# Altium PCB 19_2_Coupled_PP0.PcbDoc (part 1 of 5)
Units mil, origin at the board's own origin, x right, y up, seen from the top; angles counter-clockwise.
Board outline 3937.01 x 10826.77 mil, 10 copper layers (Layer_1 Top, Layer_2 GND Plane 1, Layer_3 Signal inner 1, Layer_4 Power Plane 1, Layer_5  Signal inner 2, Layer_6 GND Plane 2, Layer_7 Signal inner 3, Layer_8 Power Plane 2, Layer_9 GND Plane 3, Layer_10 Bottom), stack 69.4 mil thick; 120 components, 283 nets, 1231 pads, 1956 vias.
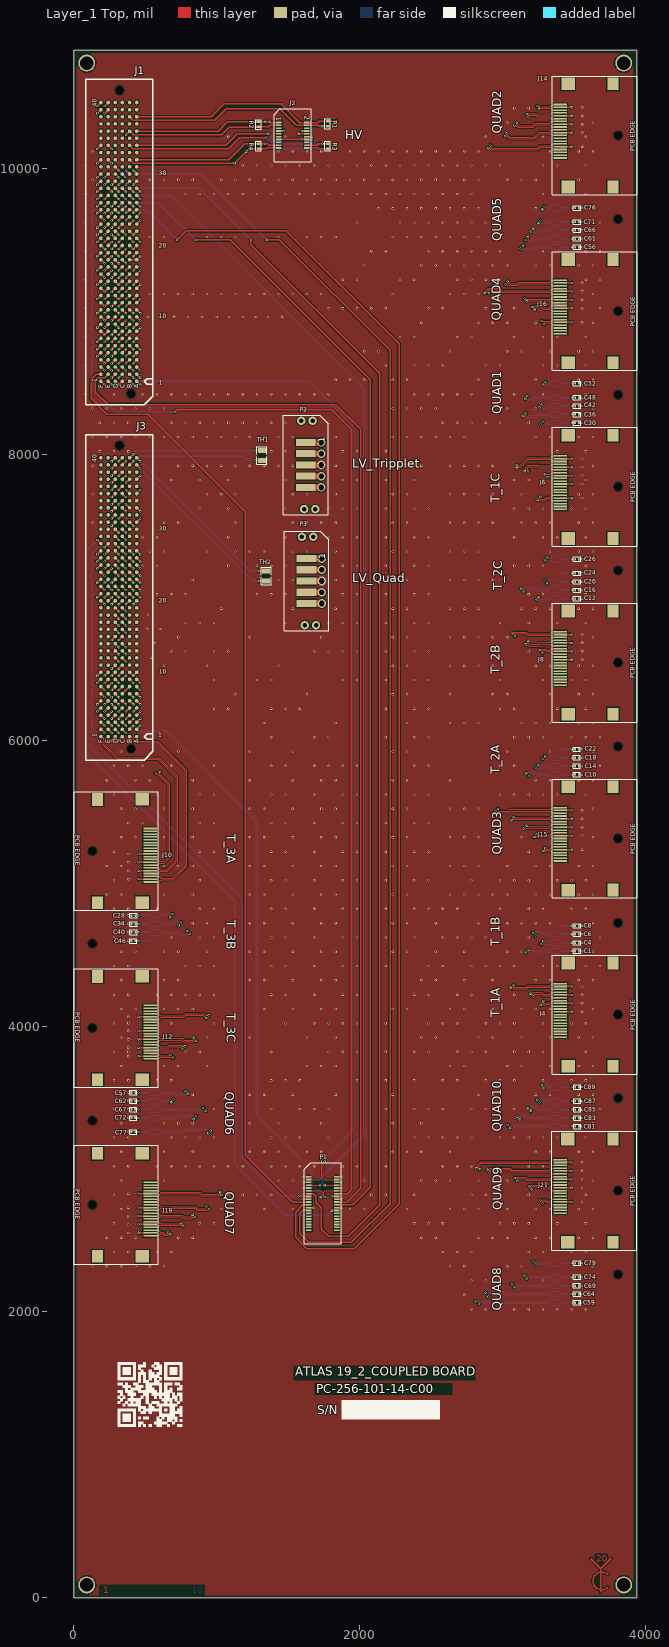
[diagram p0: Layer_1 Top view]
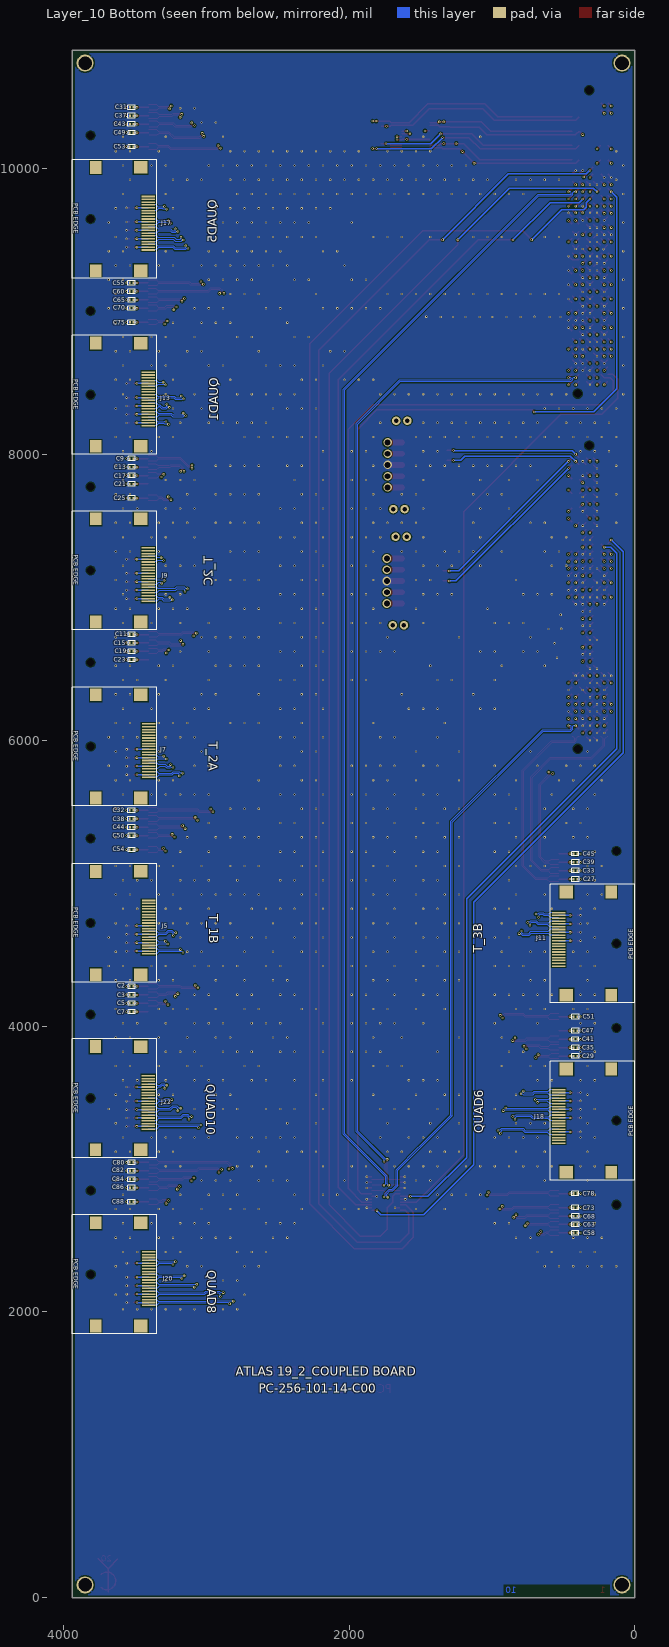
[diagram p1: Layer_10 Bottom view, seen from below]
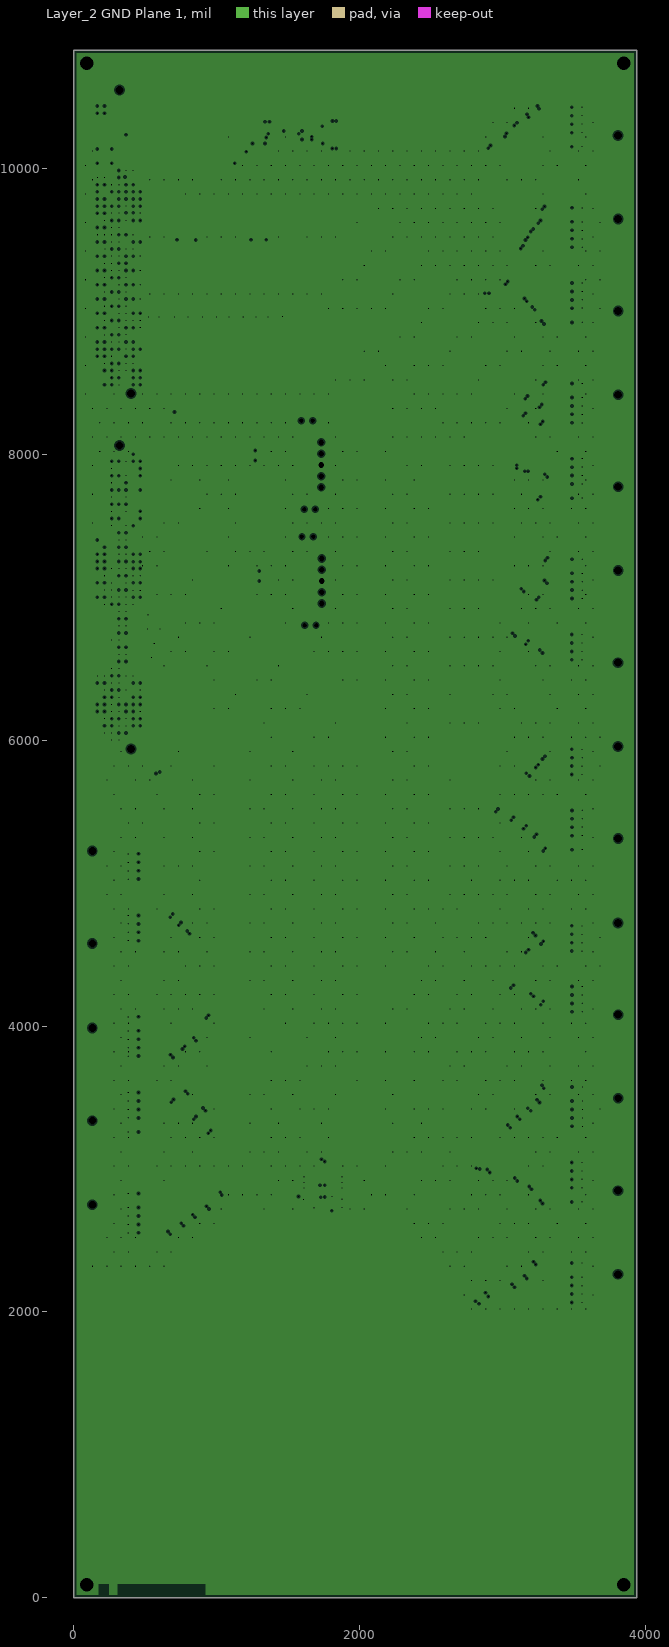
[diagram p2: Layer_2 GND Plane 1, clearances drawn from the general rule]
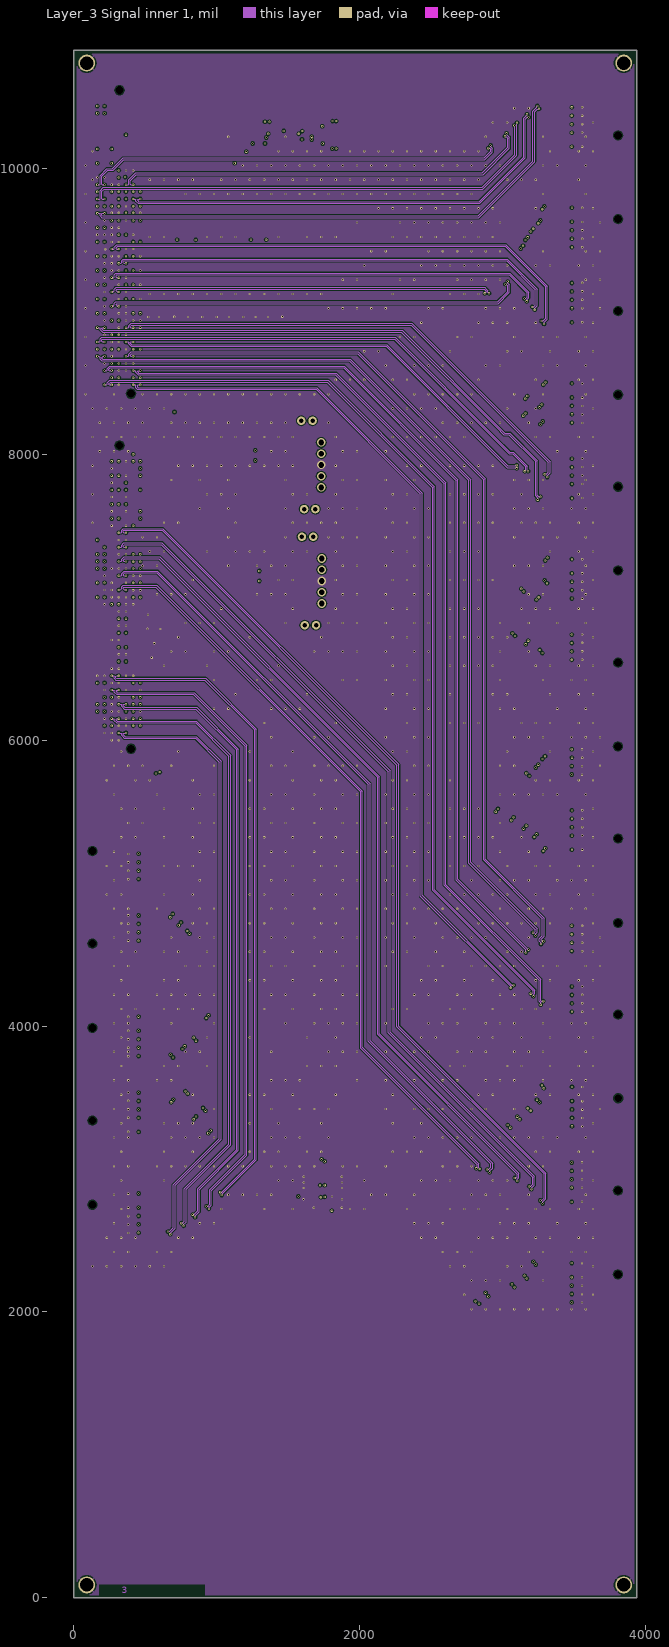
[diagram p3: Layer_3 Signal inner 1]
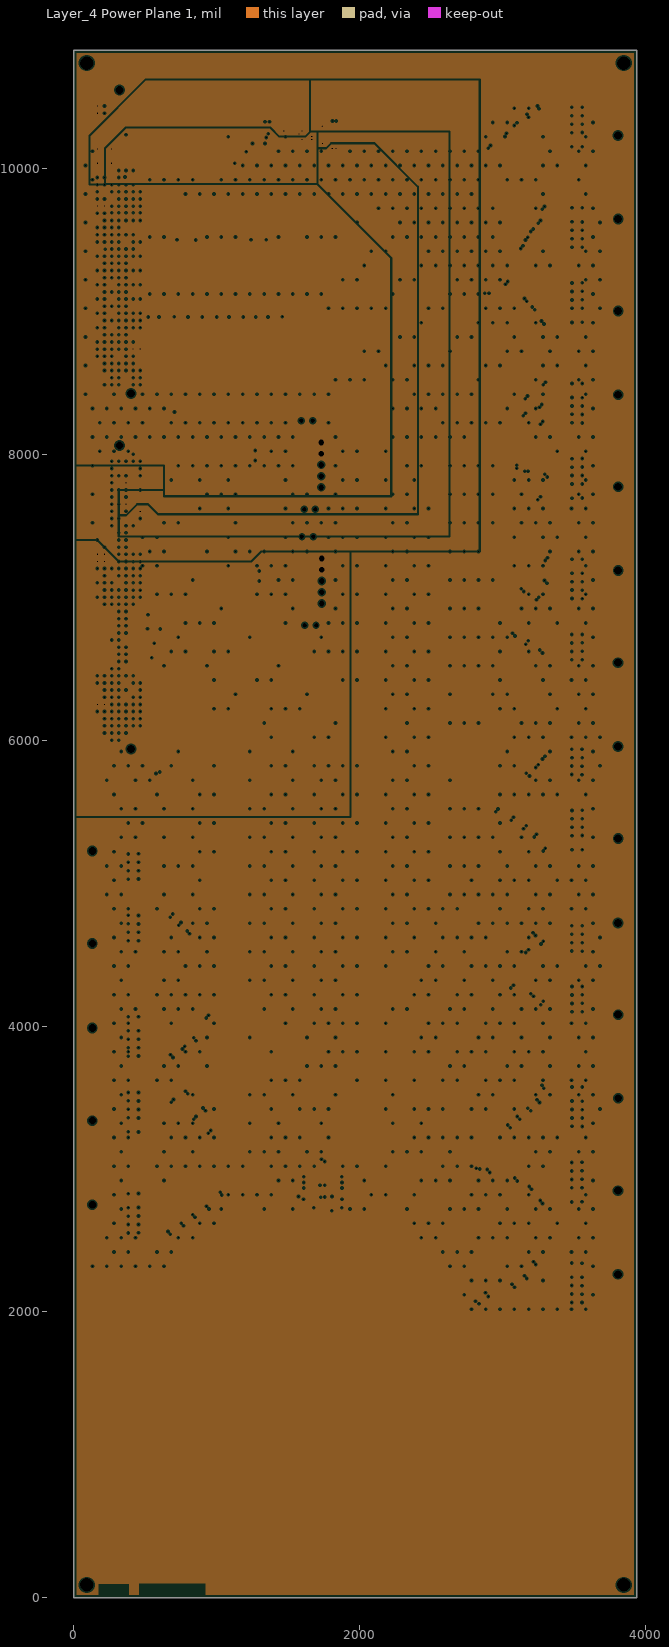
[diagram p4: Layer_4 Power Plane 1, clearances drawn from the general rule]
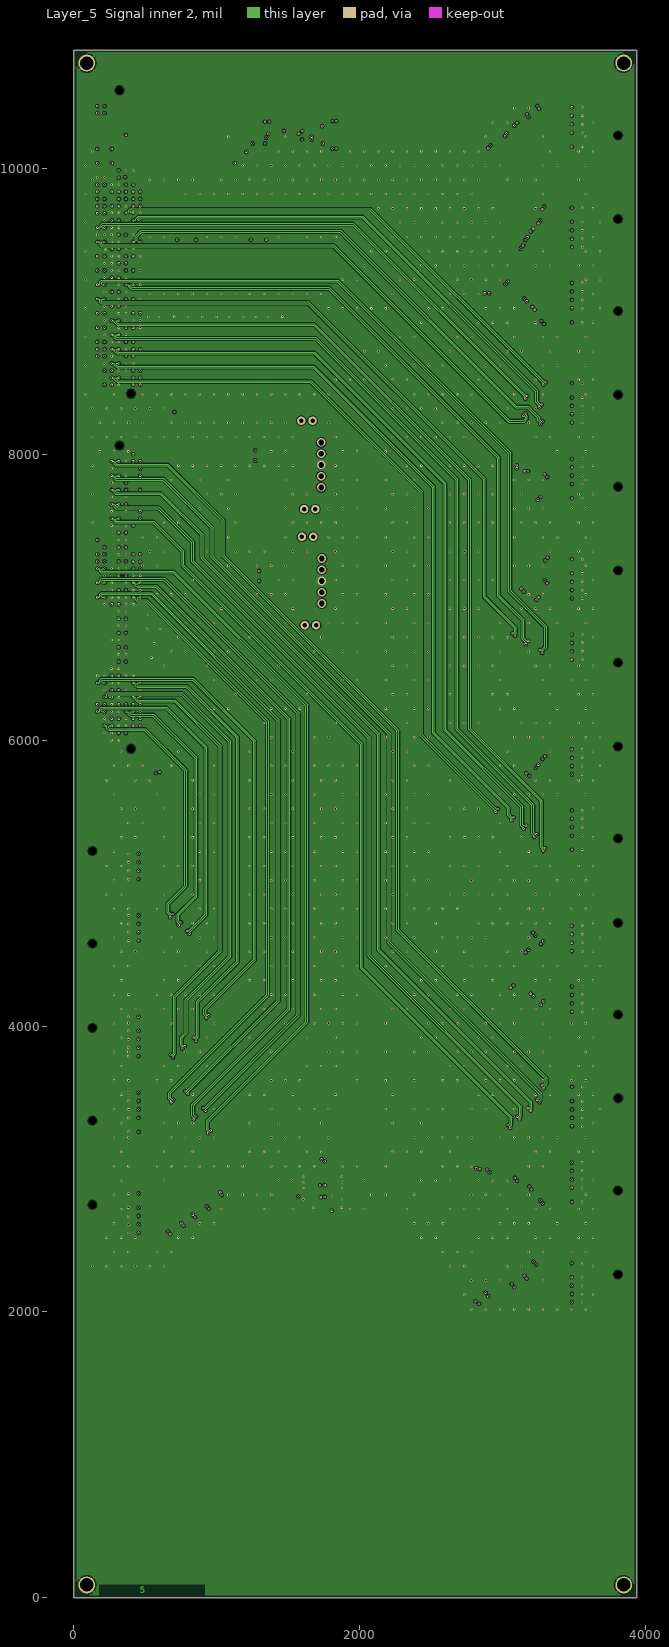
[diagram p5: Layer_5  Signal inner 2]
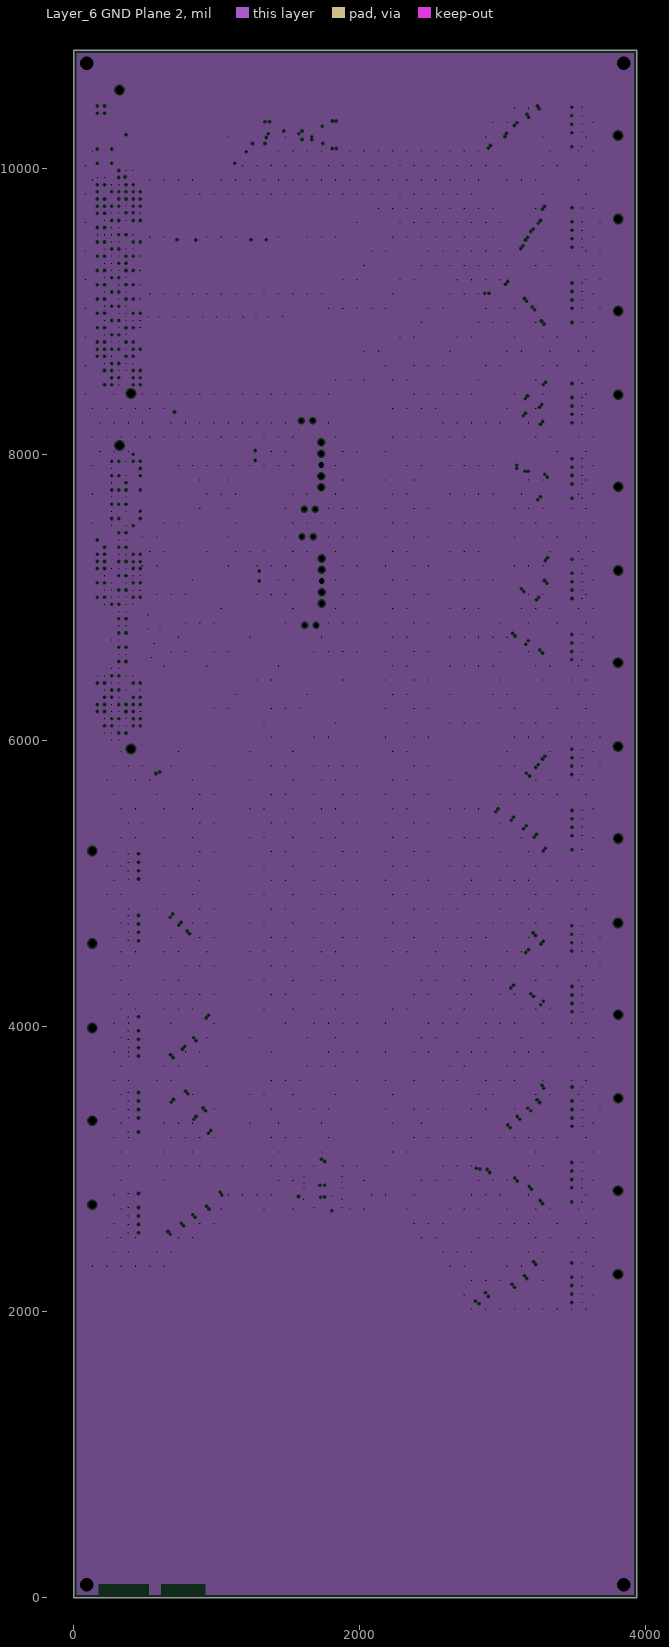
[diagram p6: Layer_6 GND Plane 2, clearances drawn from the general rule]
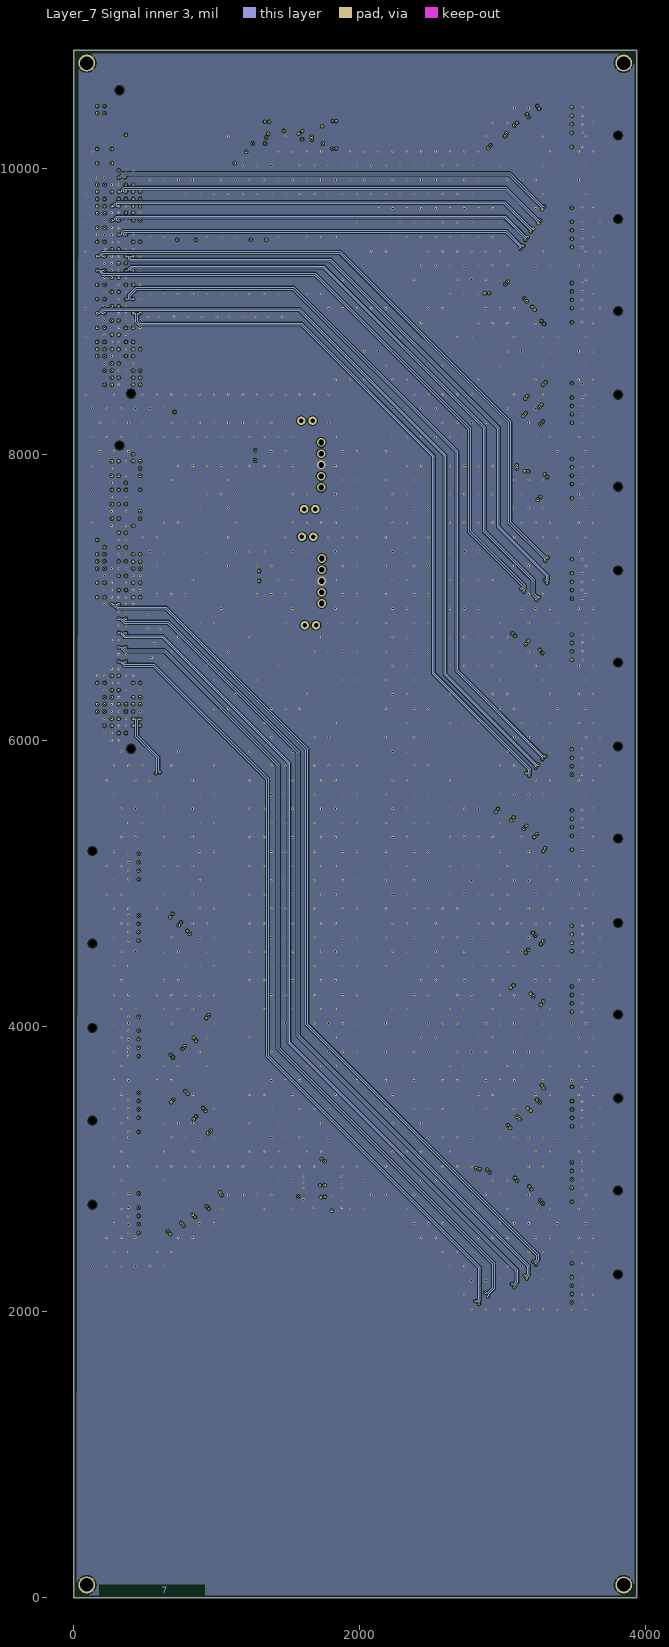
[diagram p7: Layer_7 Signal inner 3]
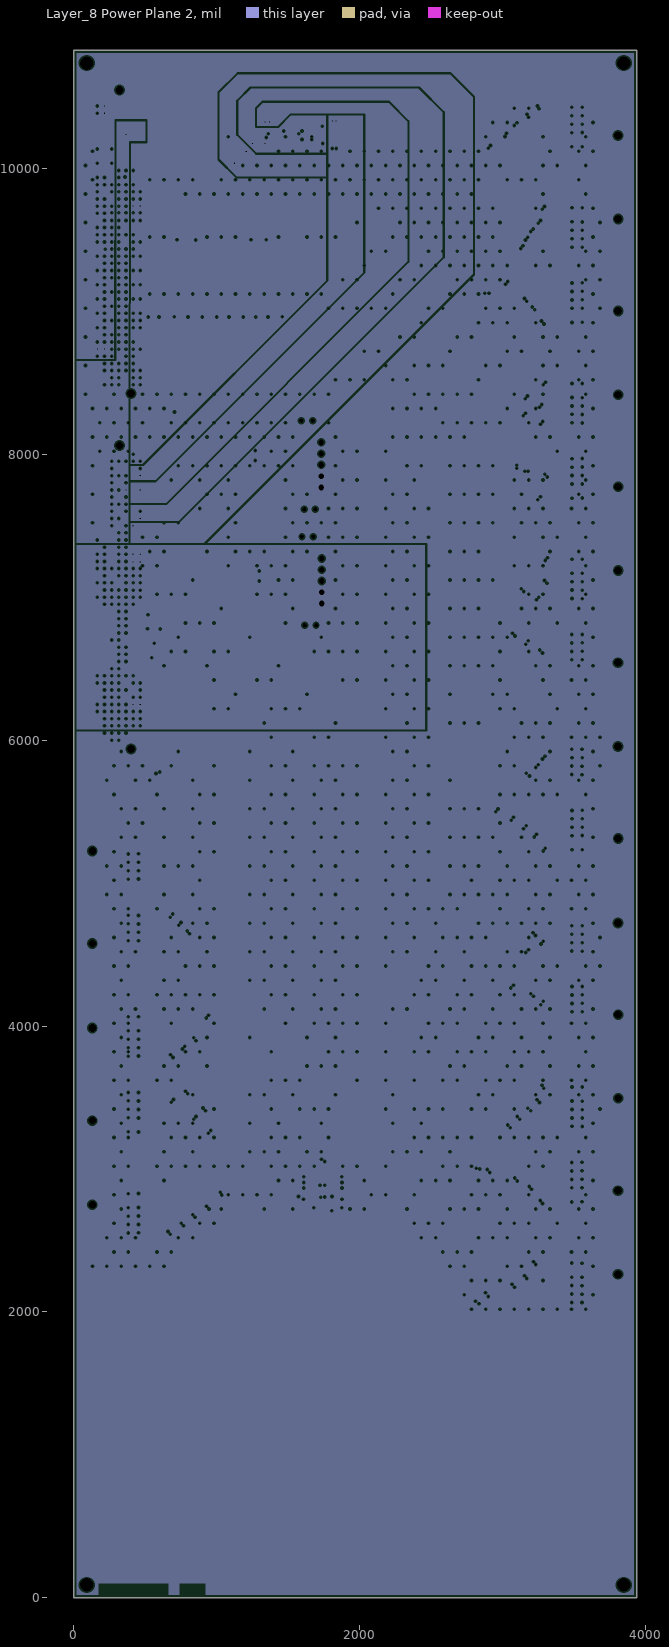
[diagram p8: Layer_8 Power Plane 2, clearances drawn from the general rule]
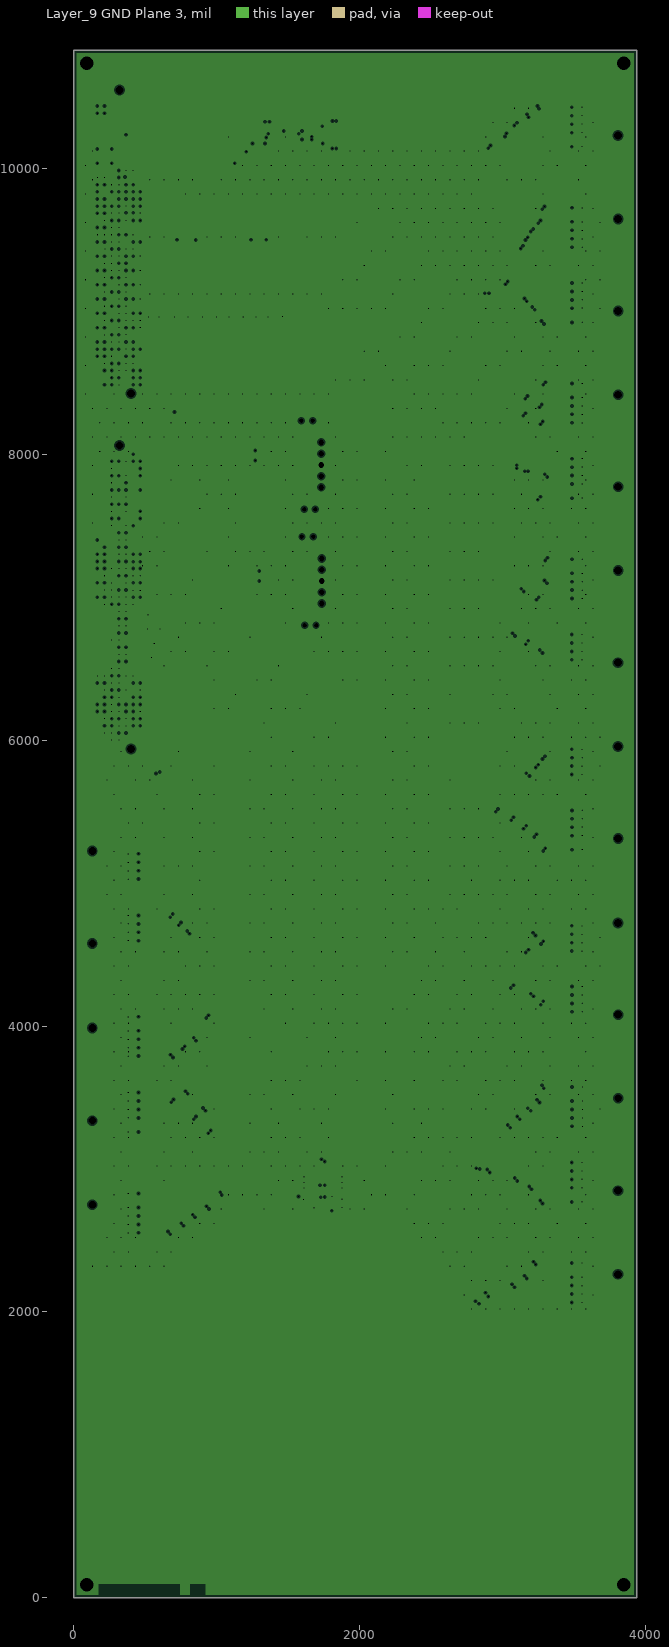
[diagram p9: Layer_9 GND Plane 3, clearances drawn from the general rule]
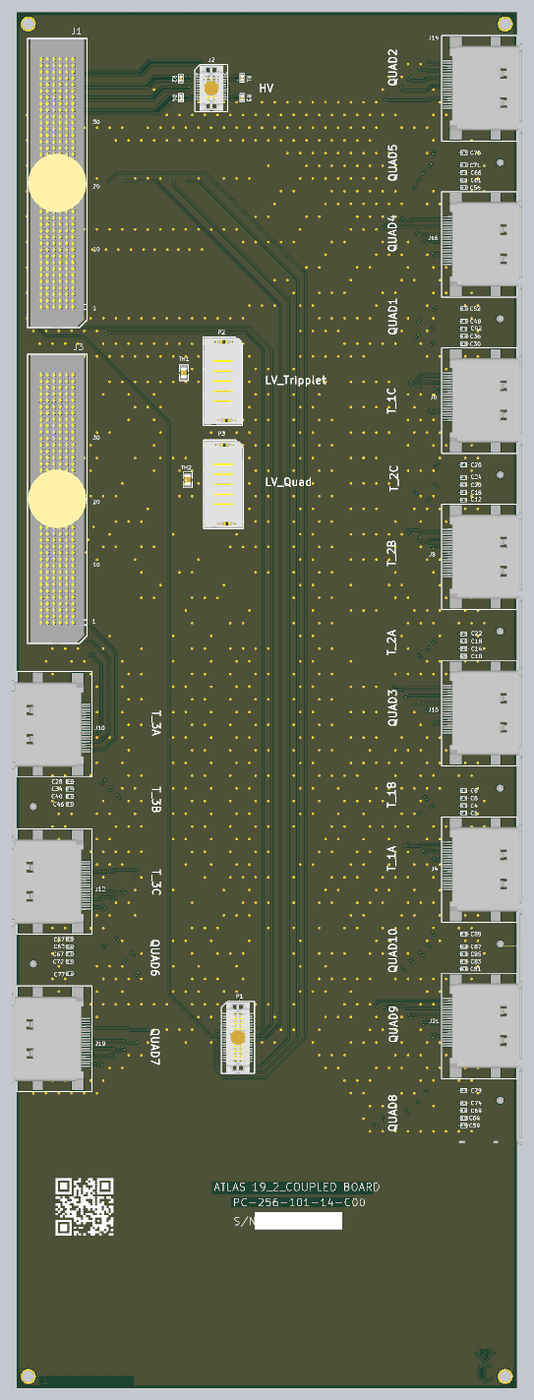
[diagram p14: 3D render of the assembled board from above, using the file's embedded part models]
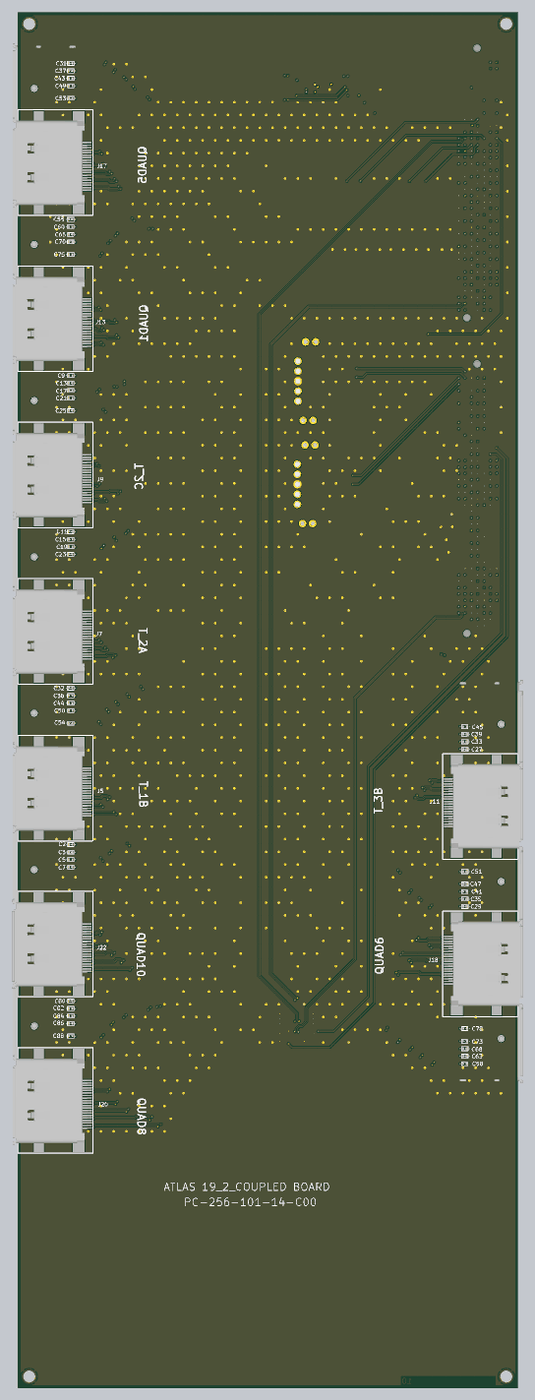
[diagram p15: 3D render of the assembled board from below, using the file's embedded part models]

## Layer stack, top to bottom
Top Solder: solder mask 0.4, Solder Resist, Dk 3.5
Layer_1 Top: signal copper 0.7
Dielectric1: core 6.6, isola terragreen, Dk 3.45
Layer_2 GND Plane 1: plane copper 0.7, net GND
Dielectric2: prepreg 7.2, isola terragreen, Dk 3.45
Layer_3 Signal inner 1: signal copper 0.7
Dielectric 3: core 6.6, isola terragreen, Dk 3.45
Layer_4 Power Plane 1: plane copper 0.7, net (Multiple Nets)
Dielectric 4: prepreg 7.2, isola terragreen, Dk 3.34
Layer_5  Signal inner 2: signal copper 0.7
Dielectric 5: core 6.6, isola terragreen, Dk 3.45
Layer_6 GND Plane 2: plane copper 0.7, net GND
Dielectric 6: prepreg 7.2, isola terragreen, Dk 3.35
Layer_7 Signal inner 3: signal copper 0.7
Dielectric 7: core 6.6, isola terragreen, Dk 3.45
Layer_8 Power Plane 2: plane copper 0.7, net (Multiple Nets)
Dielectric 8: prepreg 7.2, isola terragreen, Dk 3.35
Layer_9 GND Plane 3: plane copper 0.7, net GND
Dielectric 9: prepreg 7.2, isola terragreen, Dk 3.45
Layer_10 Bottom: signal copper 0.7
Bottom Solder: solder mask 0.4, Solder Resist, Dk 3.5

## Board outline
0,0 3937.01,0 3937.01,10826.76 0,10826.77

## Design rules (kind name [scope] priority, off if disabled: settings)
Clearance [All] p1: gap=5 ignorepadtopadclearanceinfootprint=FALSE except(7: Arc-Fill Arc-Poly Arc-Region Track-Fill Track-Poly Track-Region SMDPad-Fill SMDPad-Poly SMDPad-Region THPad-Fill THPad-Poly THPad-Region Via-Fill Via-Poly Via-Region Fill-Fill Fill-Poly Fill-Region Poly-Poly Poly-Region Region-Region)
ComponentClearance [All] p1: gap=0 collisioncheckmode=3 verticalgap=0 showdistances=FALSE
DiffPairsRouting [All] p1: maxlimit=25 minlimit=5 mostfreqgap=6 toplayer_prefgap=5 toplayer_minwidth=6 toplayer_maxwidth=25 toplayer_prefwidth=6 midlayer1_mingap=6 midlayer1_minwidth=6 midlayer1_maxwidth=25 midlayer1_prefwidth=6 midlayer2_mingap=6 midlayer2_minwidth=6 midlayer2_maxwidth=25 midlayer2_prefwidth=6 midlayer4_mingap=6 midlayer4_minwidth=6 midlayer4_maxwidth=25 midlayer4_prefwidth=6 bottomlayer_prefgap=5 bottomlayer_minwidth=6 bottomlayer_maxwidth=25 bottomlayer_prefwidth=6 maxuncoupledlength=900
HoleSize [All] p1: absolutevalues=TRUE maxlimit=250 minlimit=6 maxpercent=80.000 minpercent=20.000
HoleToHoleClearance [All] p1: gap=8 allowstackedmicrovias=TRUE
MinimumSolderMaskSliver [All] p1: minsoldermaskwidth=1
NetAntennae [All] p1: netantennaetolerance=1
PlaneClearance [All] p1: clearance=10
PlaneConnect PlaneConnect_1 [All] p1: pad.planeconnectstyle=Relief pad.reliefexpansion=10 pad.reliefentries=4 pad.reliefconductorwidth=12 pad.reliefairgap=10 via.planeconnectstyle=Direct via.reliefexpansion=12 via.reliefentries=4 via.reliefconductorwidth=12 via.reliefairgap=10
PolygonConnect [ispad] p1: connectstyle=Relief reliefconductorwidth=10 reliefentries=4 polygonreliefangle="45 Angle" airgapwidth=10
PolygonConnect PolygonConnect_VIA [isvia] p2: connectstyle=Direct reliefconductorwidth=12 reliefentries=4 polygonreliefangle="90 Angle" airgapwidth=10
RoutingVias [All] p1: holewidth=6 width=16 viastyle="Through Hole" minholewidth=6 minwidth=16 maxholewidth=100 maxwidth=200
RoutingVias L1_L3 [InDrillLayerPair('Layer_1 Top - Layer_3 signal inner 1')] p2: holewidth=6 width=16 viastyle="Through Hole" minholewidth=6 minwidth=16 maxholewidth=100 maxwidth=200
SilkToSilkClearance [All] p1: silktosilkclearance=1
SilkToSolderMaskClearance SilkscreenOverComponentPads [IsPad] p1: minsilkscreentomaskgap=1 clearancetoexposedcopper=TRUE
SolderMaskExpansion [All] p1: expansion=2 istentingtop=FALSE
Width [All] p1: maxlimit=100 minlimit=6 preferedwidth=6
20 further rules are at their usual default settings.
